# Altium PCB GridSeed.PcbDoc (part 3 of 4) (continued)
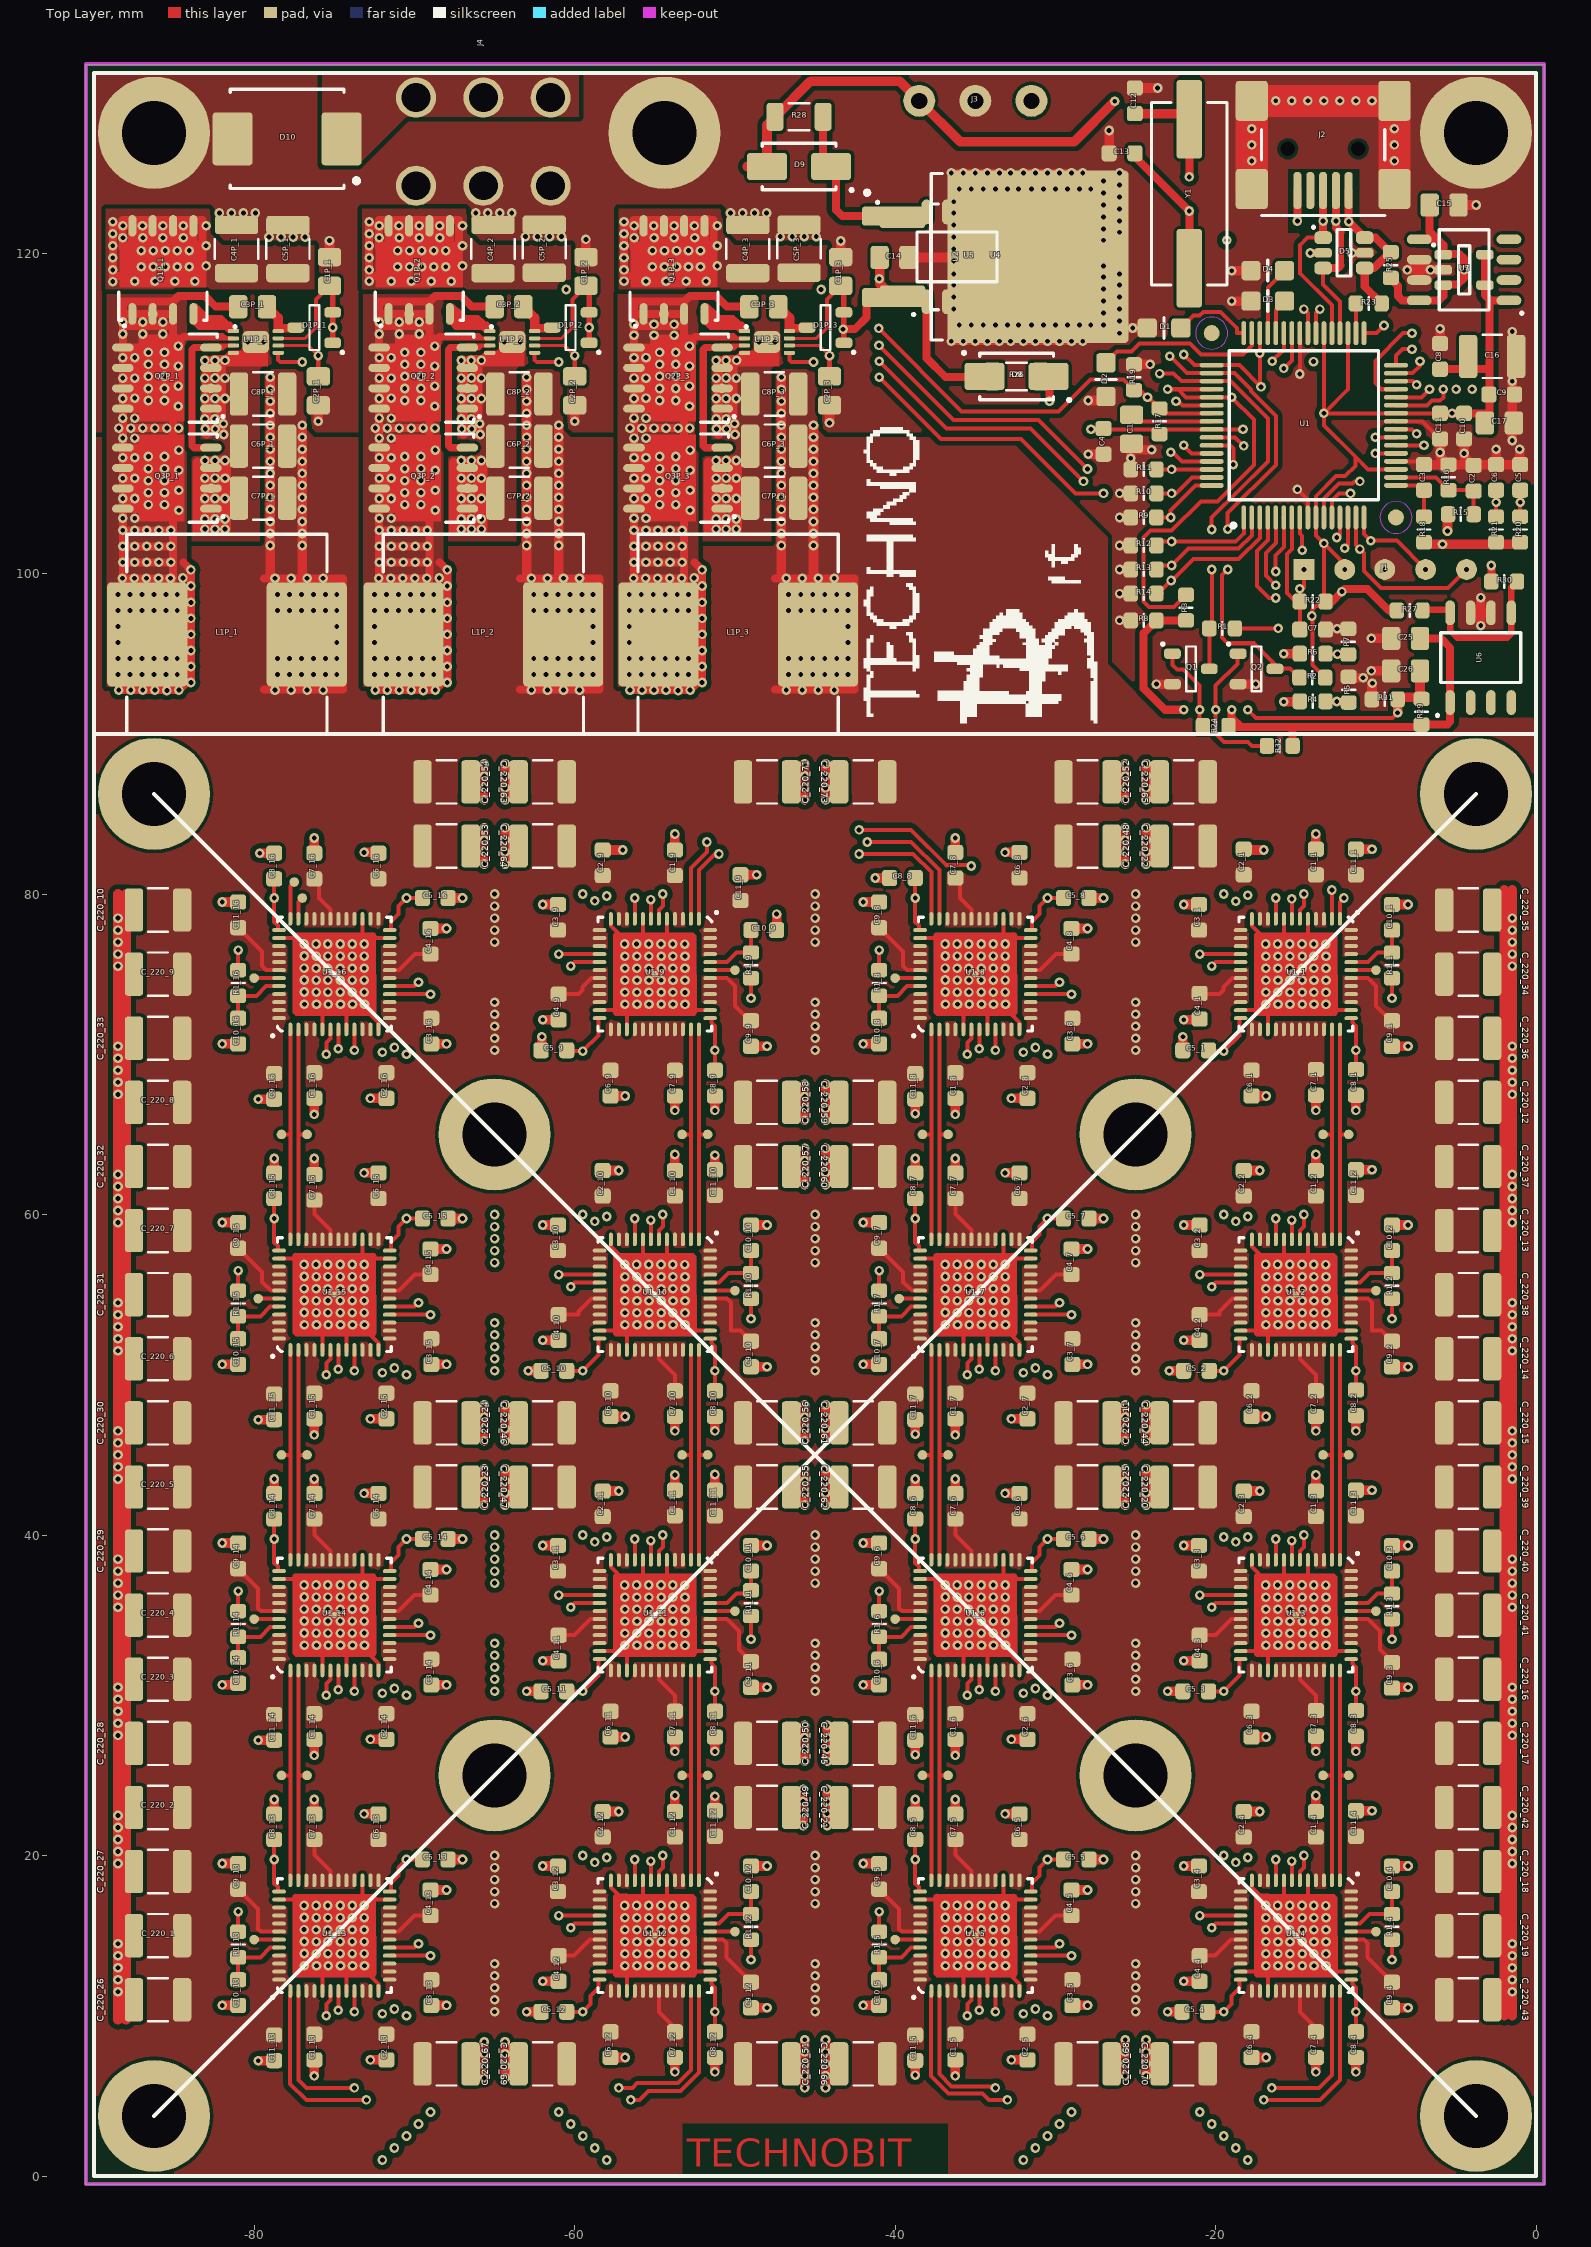
[diagram p0: Top Layer view]
## Nets (pads, with @x,y where several pads share a name; then routed paths per layer and width w, separated by ;. In a path a pad name is that pad's centre, name@x,y a point inside that pad or via, vN(x,y) a via of type N, cw(c..) or ccw(c..) an arc to the next point about the centre after c; other vN are vias at no path point) (continued)
  Top Layer w2: J2.6@-17.75,124 J2.7@-17.75,129.5 J2.8@-8.85,129.5 J2.9@-8.85,124
  other v1: -45.65,6.25 -44.35,6.25 -65.65,6.875 -64.35,6.875 -45.65,7 -44.35,7 -25.65,7 -24.35,7 -65.65,7.625 -64.35,7.625 -45.65,7.75 -44.35,7.75 -25.65,7.75 -24.35,7.75 -88.5,11.5 -1.5,11.5 -88.5,12.25 -1.5,12.25 -88.5,13 -1.5,13 -88.5,13.75 -1.5,13.75 -88.5,14.5 -1.5,14.5 -88.5,19.5 -1.5,19.5 -88.5,20.25 -1.5,20.25 -88.5,21 -1.5,21 -88.5,21.75 -1.5,21.75 -88.5,22.5 -1.5,22.5 -45.75,22.625 -44.25,22.625 -45.75,23.375 -44.25,23.375 -45.65,26.625 -44.25,26.625 -45.65,27.375 -44.25,27.375 -88.5,27.5 -1.5,27.5 -88.5,28.25 -1.5,28.25 -88.5,29 -1.5,29 -88.5,29.75 -1.5,29.75 -88.5,30.5 -1.5,30.5 -88.5,35.5 -1.5,35.5 -88.5,36.25 -1.5,36.25 -88.5,37 -1.5,37 -88.5,37.75 -1.5,37.75 -88.5,38.5 -1.5,38.5 -65.65,42.625 -64.35,42.625 -45.65,42.625 -44.35,42.625 -25.65,42.625 -24.35,42.625 -65.65,43.375 -64.35,43.375 -45.65,43.375 -44.35,43.375 -25.65,43.375 -24.35,43.375 -88.5,43.5 -1.5,43.5 -88.5,44.25 -1.5,44.25 -88.5,45 -1.5,45 -88.5,45.75 -1.5,45.75 -88.5,46.5 -1.5,46.5 -65.65,46.625 -64.35,46.625 -45.65,46.625 -44.35,46.625 -25.65,46.625 -24.35,46.625 -65.65,47.375 -64.35,47.375 -45.65,47.375 -44.35,47.375 -25.65,47.375 -24.35,47.375 -88.5,51.5 -1.5,51.5 -88.5,52.25 -1.5,52.25 -88.5,53 -1.5,53 -88.5,53.75 -1.5,53.75 -88.5,54.5 -1.5,54.5 -88.5,59.5 -1.5,59.5 -88.5,60.25 -1.5,60.25 -88.5,61 -1.5,61 -88.5,61.75 -1.5,61.75 -88.5,62.5 -1.5,62.5 -45.65,62.625 -44.35,62.625 -45.65,63.375 -44.35,63.375 -45.65,66.625 -44.35,66.625 -45.65,67.375 -44.35,67.375 -88.5,67.5 -1.5,67.5 -88.5,68.25 -1.5,68.25 -88.5,69 -1.5,69 -88.5,69.75 -1.5,69.75 -88.5,70.5 -1.5,70.5 -88.5,75.5 -1.5,75.5 -88.5,76.25 -1.5,76.25 -88.5,77 -1.5,77 -88.5,77.75 -1.5,77.75 -88.5,78.5 -1.5,78.5 -65.65,82.625 -64.35,82.625 -25.65,82.625 -24.35,82.625 -65.65,83.375 -64.35,83.375 -25.65,83.375 -24.35,83.375 -65.65,86.625 -64.35,86.625 -45.65,86.625 -44.35,86.625 -25.65,86.625 -24.35,86.625 -65.65,87.375 -64.35,87.375 -45.65,87.375 -44.35,87.375 -25.65,87.375 -24.35,87.375 -10.225,93.15 -12.425,96.55 -3.462,96.75 -9.45,100.25 -83.075,102.775 -82.45,102.775 -81.825,102.775 -67.075,102.775 -66.45,102.775 -65.825,102.775 -51.175,102.775 -50.55,102.775 -49.925,102.775 -83.075,103.405 -82.45,103.405 -81.825,103.405 -67.075,103.405 -66.45,103.405 -65.825,103.405 -51.175,103.405 -50.55,103.405 -49.925,103.405 -83.075,104.68 -82.45,104.68 -81.825,104.68 -67.075,104.68 -66.45,104.68 -65.825,104.68 -51.175,104.68 -50.55,104.68 -49.925,104.68 -83.075,105.95 -82.45,105.955 -81.825,105.95 -67.075,105.95 -66.45,105.955 -65.825,105.95 -51.175,105.95 -50.55,105.955 -49.925,105.95 -83.075,107.055 -82.45,107.055 -81.825,107.055 -67.075,107.055 -66.45,107.055 -65.825,107.055 -51.175,107.055 -50.55,107.055 -49.925,107.055 -81.9,108.675 -65.9,108.675 -50,108.675 -83.05,109.025 -82.425,109.025 -67.05,109.025 -66.425,109.025 -51.15,109.025 -50.525,109.025 -81.925,109.35 -65.925,109.35 -50.025,109.35 -83.075,109.65 -82.45,109.65 -67.075,109.65 -66.45,109.65 -51.175,109.65 -50.55,109.65 -83.075,110.925 -82.45,110.925 -81.825,110.925 -67.075,110.925 -66.45,110.925 -65.825,110.925 -51.175,110.925 -50.55,110.925 -49.925,110.925 -1.5,112 -83.075,112.195 -81.825,112.195 -67.075,112.195 -65.825,112.195 -51.175,112.195 -49.925,112.195 -82.45,112.2 -66.45,112.2 -50.55,112.2 -83.075,113.3 -82.45,113.3 -81.825,113.3 -67.075,113.3 -66.45,113.3 -65.825,113.3 -51.175,113.3 -50.55,113.3 -49.9,113.3 -80.4,114.45 -79.4,114.45 -64.4,114.45 -63.4,114.45 -48.5,114.45 -47.5,114.45 -35.75,114.5 -35,114.5 -34.25,114.5 -33.5,114.5 -32.8,114.5 -31.25,114.5 -30.5,114.5 -29.75,114.5 -29,114.5 -28.3,114.5 -25.175,115.325 -35.25,115.5 -34.5,115.5 -33.75,115.5 -33,115.5 -32.3,115.5 -30.75,115.5 -30,115.5 -29.25,115.5 -28.5,115.5 -27.8,115.5 -26,115.75 -27,116.25 -36.35,116.5 -26,116.5 -27,117 -36.35,117.25 -26,117.25 -27,117.75 -36.35,118 -26,118 -27,118.5 -36.35,118.7 -26,118.7 -6.6,118.95 -27,119.2 -11.5,120 -27,120.8 -79.075,121 -78.325,121 -77.575,121 -76.825,121 -63.075,121.025 -62.325,121.025 -61.575,121.025 -60.825,121.025 -47.175,121.025 -46.425,121.025 -45.675,121.025 -44.925,121.025 -26,121.3 -27,121.5 -26,122 -27,122.25 -82.175,122.5 -81.425,122.5 -80.675,122.5 -79.925,122.5 -66.175,122.5 -65.425,122.5 -64.675,122.5 -63.925,122.5 -50.275,122.5 -49.525,122.5 -48.775,122.5 -48.025,122.5 -26,122.75 -27,123 -36.35,123.2 -26,123.5 -27,123.75 -35.25,124 -34.5,124 -33.75,124 -33,124 -32.3,124 -30.75,124 -30,124 -29.25,124 -28.5,124 -27.8,124 -26,124.25 -35.75,125 -35,125 -34.25,125 -33.5,125 -32.8,125 -31.25,125 -30.5,125 -29.75,125 -29,125 -28.3,125 -17.75,125.75 -8.85,125.75 -17.75,126.75 -8.85,126.75 -17.75,127.75 -8.85,127.75 -16.25,129.5 -15.25,129.5 -14.25,129.5 -13.25,129.5 -12.25,129.5 -11.25,129.5 -10.25,129.5
  other v2: -76.865,13.125 -76.115,13.12 -75.385,13.12 -74.615,13.12 -73.865,13.12 -73.115,13.12 -56.865,13.12 -55.365,13.12 -54.595,13.12 -53.865,13.12 -53.115,13.115 -36.865,13.125 -36.115,13.12 -35.385,13.12 -34.615,13.12 -33.865,13.12 -33.115,13.12 -16.865,13.12 -15.365,13.12 -14.595,13.12 -13.865,13.12 -13.115,13.115 -56.12,13.871 -16.12,13.871 -76.88,13.885 -76.129,13.88 -75.4,13.88 -74.629,13.88 -73.88,13.88 -73.129,13.88 -36.88,13.885 -36.129,13.88 -35.4,13.88 -34.629,13.88 -33.88,13.88 -33.129,13.88 -76.88,14.635 -76.129,14.629 -75.4,14.629 -74.629,14.629 -73.88,14.629 -73.129,14.629 -56.865,14.625 -56.115,14.625 -55.365,14.625 -54.595,14.625 -53.865,14.625 -53.115,14.62 -36.88,14.635 -36.129,14.629 -35.4,14.629 -34.629,14.629 -33.88,14.629 -33.129,14.629 -16.865,14.625 -16.115,14.625 -15.365,14.625 -14.595,14.625 -13.865,14.625 -13.115,14.62 -56.871,15.371 -54.6,15.371 -16.871,15.371 -14.6,15.371 -76.885,15.38 -76.135,15.375 -75.405,15.375 -74.635,15.375 -73.885,15.375 -73.135,15.375 -36.885,15.38 -36.135,15.375 -35.405,15.375 -34.635,15.375 -33.885,15.375 -33.135,15.375 -76.88,16.135 -76.129,16.129 -75.4,16.129 -74.629,16.129 -73.88,16.129 -73.129,16.129 -56.871,16.12 -56.12,16.12 -55.371,16.12 -54.6,16.12 -53.871,16.12 -36.88,16.135 -36.129,16.129 -35.4,16.129 -34.629,16.129 -33.88,16.129 -33.129,16.129 -16.871,16.12 -16.12,16.12 -15.371,16.12 -14.6,16.12 -13.871,16.12 -76.885,16.885 -76.135,16.88 -75.405,16.88 -74.635,16.88 -73.885,16.88 -73.135,16.88 -56.135,16.88 -55.385,16.88 -54.615,16.88 -53.885,16.88 -36.885,16.885 -36.135,16.88 -35.405,16.88 -34.635,16.88 -33.885,16.88 -33.135,16.88 -16.135,16.88 -15.385,16.88 -14.615,16.88 -13.885,16.88 -76.865,33.125 -76.115,33.12 -75.385,33.12 -74.615,33.12 -73.865,33.12 -73.115,33.12 -56.865,33.12 -56.115,33.12 -55.365,33.12 -54.595,33.12 -53.865,33.12 -53.115,33.115 -36.865,33.125 -36.115,33.12 -35.385,33.12 -34.615,33.12 -33.865,33.12 -33.115,33.12 -16.865,33.12 -16.115,33.12 -15.365,33.12 -14.595,33.12 -13.865,33.12 -13.115,33.115 -76.88,33.885 -76.129,33.88 -75.4,33.88 -74.629,33.88 -73.88,33.88 -73.129,33.88 -56.871,33.871 -56.12,33.871 -55.371,33.871 -54.6,33.871 -53.871,33.871 -53.12,33.865 -36.88,33.885 -36.129,33.88 -35.4,33.88 -34.629,33.88 -33.88,33.88 -33.129,33.88 -16.871,33.871 -16.12,33.871 -15.371,33.871 -14.6,33.871 -13.871,33.871 -13.12,33.865 -56.865,34.625 -56.115,34.625 -55.365,34.625 -54.595,34.625 -53.865,34.625 -53.115,34.62 -16.865,34.625 -16.115,34.625 -15.365,34.625 -14.595,34.625 -13.865,34.625 -13.115,34.62 -76.88,34.635 -76.129,34.629 -75.4,34.629 -74.629,34.629 -73.88,34.629 -73.129,34.629 -36.88,34.635 -36.129,34.629 -35.4,34.629 -34.629,34.629 -33.88,34.629 -33.129,34.629 -76.885,35.38 -76.135,35.375 -75.405,35.375 -74.635,35.375 -73.885,35.375 -73.135,35.375 -56.871,35.371 -56.12,35.371 -55.371,35.371 -54.6,35.371 -53.871,35.371 -53.12,35.365 -36.885,35.38 -36.135,35.375 -35.405,35.375 -34.635,35.375 -33.885,35.375 -33.135,35.375 -16.871,35.371 -16.12,35.371 -15.371,35.371 -14.6,35.371 -13.871,35.371 -13.12,35.365 -56.871,36.12 -56.12,36.12 -55.371,36.12 -54.6,36.12 -53.871,36.12 -53.12,36.115 -16.871,36.12 -16.12,36.12 -15.371,36.12 -14.6,36.12 -13.871,36.12 -13.12,36.115 -76.88,36.135 -76.129,36.129 -75.4,36.129 -74.629,36.129 -73.88,36.129 -73.129,36.129 -36.88,36.135 -36.129,36.129 -35.4,36.129 -34.629,36.129 -33.88,36.129 -33.129,36.129 -76.885,36.885 -76.135,36.88 -75.405,36.88 -74.635,36.88 -73.885,36.88 -73.135,36.88 -56.135,36.88 -55.385,36.88 -54.615,36.88 -53.885,36.88 -53.135,36.875 -36.885,36.885 -36.135,36.88 -35.405,36.88 -34.635,36.88 -33.885,36.88 -33.135,36.88 -16.135,36.88 -15.385,36.88 -14.615,36.88 -13.885,36.88 -13.135,36.875 -53.115,53.115 -13.115,53.115 -76.865,53.125 -76.115,53.12 -75.385,53.12 -74.615,53.12 -73.865,53.12 -73.115,53.12 -56.865,53.12 -56.115,53.12 -55.365,53.12 -54.595,53.12 -53.865,53.12 -36.865,53.125 -36.115,53.12 -35.385,53.12 -34.615,53.12 -33.865,53.12 -33.115,53.12 -16.865,53.12 -16.115,53.12 -15.365,53.12 -14.595,53.12 -13.865,53.12 -56.871,53.871 -56.12,53.871 -55.371,53.871 -54.6,53.871 -53.871,53.871 -53.12,53.865 -16.871,53.871 -16.12,53.871 -15.371,53.871 -14.6,53.871 -13.871,53.871 -13.12,53.865 -76.88,53.885 -76.129,53.88 -75.4,53.88 -74.629,53.88 -73.88,53.88 -73.129,53.88 -36.88,53.885 -36.129,53.88 -35.4,53.88 -34.629,53.88 -33.88,53.88 -33.129,53.88 -76.88,54.635 -76.129,54.629 -75.4,54.629 -74.629,54.629 -73.88,54.629 -73.129,54.629 -56.865,54.625 -56.115,54.625 -55.365,54.625 -54.595,54.625 -53.865,54.625 -53.115,54.62 -36.88,54.635 -36.129,54.629 -35.4,54.629 -34.629,54.629 -33.88,54.629 -33.129,54.629 -16.865,54.625 -16.115,54.625 -15.365,54.625 -14.595,54.625 -13.865,54.625 -13.115,54.62 -76.135,55.375 -75.405,55.375 -74.635,55.375 -73.885,55.375 -73.135,55.375 -56.871,55.371 -56.12,55.371 -55.371,55.371 -54.6,55.371 -53.871,55.371 -53.12,55.365 -36.135,55.375 -35.405,55.375 -34.635,55.375 -33.885,55.375 -33.135,55.375 -16.871,55.371 -16.12,55.371 -15.371,55.371 -14.6,55.371 -13.871,55.371 -13.12,55.365 -76.885,55.38 -36.885,55.38 -53.12,56.115 -13.12,56.115 -76.88,56.135 -76.129,56.129 -75.4,56.129 -74.629,56.129 -73.88,56.129 -73.129,56.129 -56.871,56.12 -56.12,56.12 -55.371,56.12 -54.6,56.12 -53.871,56.12 -36.88,56.135 -36.129,56.129 -35.4,56.129 -34.629,56.129 -33.88,56.129 -33.129,56.129 -16.871,56.12 -16.12,56.12 -15.371,56.12 -14.6,56.12 -13.871,56.12 -53.135,56.875 -13.135,56.875 -76.885,56.885 -76.135,56.88 -75.405,56.88 -74.635,56.88 -73.885,56.88 -73.135,56.88 -56.885,56.88 -56.135,56.88 -55.385,56.88 -54.615,56.88 -53.885,56.88 -36.885,56.885 -36.135,56.88 -35.405,56.88 -34.635,56.88 -33.885,56.88 -33.135,56.88 -16.885,56.88 -16.135,56.88 -15.385,56.88 -14.615,56.88 -13.885,56.88 -76.865,73.125 -76.115,73.12 -75.385,73.12 -74.615,73.12 -73.865,73.12 -73.115,73.12 -56.865,73.12 -56.115,73.12 -55.365,73.12 -54.595,73.12 -53.865,73.12 -53.115,73.115 -36.865,73.125 -36.115,73.12 -35.385,73.12 -34.615,73.12 -33.865,73.12 -33.115,73.12 -16.865,73.12 -16.115,73.12 -15.365,73.12 -14.595,73.12 -13.865,73.12 -13.115,73.115 -53.12,73.865 -13.12,73.865 -76.88,73.885 -76.129,73.88 -75.4,73.88 -74.629,73.88 -73.88,73.88 -73.129,73.88 -56.871,73.871 -56.12,73.871 -55.371,73.871 -54.6,73.871 -53.871,73.871 -36.88,73.885 -36.129,73.88 -35.4,73.88 -34.629,73.88 -33.88,73.88 -33.129,73.88 -16.871,73.871 -16.12,73.871 -15.371,73.871 -14.6,73.871 -13.871,73.871 -76.129,74.629 -75.4,74.629 -74.629,74.629 -73.88,74.629 -73.129,74.629 -56.865,74.625 -56.115,74.625 -55.365,74.625 -54.595,74.625 -53.865,74.625 -53.115,74.62 -36.129,74.629 -35.4,74.629 -34.629,74.629 -33.88,74.629 -33.129,74.629 -16.865,74.625 -16.115,74.625 -15.365,74.625 -14.595,74.625 -13.865,74.625 -13.115,74.62 -76.88,74.635 -36.88,74.635 -53.12,75.365 -13.12,75.365 -76.885,75.38 -76.135,75.375 -75.405,75.375 -74.635,75.375 -73.885,75.375 -73.135,75.375 -56.871,75.371 -56.12,75.371 -55.371,75.371 -54.6,75.371 -53.871,75.371 -36.885,75.38 -36.135,75.375 -35.405,75.375 -34.635,75.375 -33.885,75.375 -33.135,75.375 -16.871,75.371 -16.12,75.371 -15.371,75.371 -14.6,75.371 -13.871,75.371 -76.129,76.129 -75.4,76.129 -74.629,76.129 -73.88,76.129 -73.129,76.129 -56.871,76.12 -56.12,76.12 -55.371,76.12 -54.6,76.12 -53.871,76.12 -53.12,76.115 -36.129,76.129 -35.4,76.129 -34.629,76.129 -33.88,76.129 -33.129,76.129 -16.871,76.12 -16.12,76.12 -15.371,76.12 -14.6,76.12 -13.871,76.12 -13.12,76.115 -76.88,76.135 -36.88,76.135 -76.885,76.885 -76.135,76.88 -75.405,76.88 -74.635,76.88 -73.885,76.88 -73.135,76.88 -56.885,76.88 -56.135,76.88 -55.385,76.88 -54.615,76.88 -53.885,76.88 -53.135,76.875 -36.885,76.885 -36.135,76.88 -35.405,76.88 -34.635,76.88 -33.885,76.88 -33.135,76.88 -16.885,76.88 -16.135,76.88 -15.385,76.88 -14.615,76.88 -13.885,76.88 -13.135,76.875
GREEN: D2.2 U1.47 | length 10.9
  Top Layer w0.25: D2.2@-26.85,113.15 -26.15,113.85 -25.25,113.85 -24.742,114.358 -21.608,114.358 -20.916,113.666 -18.312,113.666 -17.75,114.228 U1.47@-17.75,115
HO1: Q1P_1.4 U1P_1.1 | length 1.9
  Top Layer w0.25: -82,115.45 -81.9,115.45 -81.575,115.125 U1P_1.1@-81.3,115.125
  Top Layer w0.45: -83.045,115.45 -82.45,115.45 -82,115.45
HO2: Q1P_2.4 U1P_2.1 | length 2.9
  Top Layer w0.45: Q1P_2.4@-67.82,116.332 -67.332,116.332 -66.45,115.45 ; -66.65,115.45 -65.5,115.45
HO3: Q1P_3.4 U1P_3.1 | length 2.9
  Top Layer w0.45: Q1P_3.4@-51.92,116.332 -51.432,116.332 -50.55,115.45 ; -50.75,115.45 -49.6,115.45
LDO3.3V-5.0V: R27.2 R30.1 U6.5 U6.8 | length 10.6
  Top Layer w0.4: R27.2@-7.25,97.75 -5.567,97.75 U6.8@-5.367,97.55 -5.367,96.438 -4.929,96 -1.804,96 -1.557,96.248 U6.5@-1.557,97.55 -1.557,99.143 R30.1@-1.2,99.5
LDO5.0V: C15.1 D7.2 D8.1 R25.1 R26.2 R30.2 U3.1 U3.3 U7.5 U7.8 | length 63.9
  Top Layer w0.5: D7.2@-30.5,112.25 -30.375,112.125 v1(-30.375,110.75) ; R25.1@-9.133,118.45 -8.633,117.95 -8.633,117.315 -8.363,117.045 U7.8@-7.3,117.045 -6.08,117.045 -5.8,117.325 -5.8,118.025 -4.925,118.025 -4.5,118.45 v1(-4.5,118.95) -4.5,119.65 -4.775,119.925 -5.8,119.925 -5.8,120.496 -6.159,120.855 ; U7.5@-7.3,120.855 -6.159,120.855 ; C15.1@-6.65,123 -6.65,121.346 -6.159,120.855 ; R30.2@-2.8,99.5 v1(-2.8,100.5)
  Mid-Top Layer w0.3: v1(-4.5,118.95) -3.25,117.7 -3.25,112.25 v1(-4,111.5) -3.252,110.752 -3.252,106.96 -3.25,106.957 -3.25,104.204 -3.252,104.201 -3.252,100.952 v1(-2.8,100.5)
  Mid-Bottom Layer w0.5: v1(-30.375,110.75) -29.55,109.925 -17.589,109.925 -16.764,110.75 -4.364,110.75 ; -4.558,110.75 -4.339,110.75 -4,111.089 v1(-4,111.5)
LM12V: D9.1 R28.1 U2.8 U4.1 U5.1 | length 9.9
  Top Layer w0.25: D9.1@-44.5,125.5 D9.1@-44,125
  Top Layer w0.5: D9.1@-44.5,125.5 R28.1@-44.5,128.5 ; D9.1@-44,125 -43.7,124.7 -43.7,122.7 -43.305,122.305 U4.1@-40.1,122.305
LO1: Q2P_1.4 Q3P_1.4 U1P_1.3 | length 9.9
  Top Layer w0.25: Q2P_1.4@-82.7,114.1 -82.575,114.225 U1P_1.3@-81.3,114.225
  Top Layer w0.45: Q3P_1.4@-82.75,107.855 -83.755,107.855 -83.875,107.975 -83.875,113.987 -83.762,114.1 Q2P_1.4@-82.7,114.1
LO2: Q2P_2.4 Q3P_2.4 U1P_2.3 | length 9.7
  Top Layer w0.25: Q2P_2.4@-66.55,114.225 U1P_2.3@-65.275,114.225
  Top Layer w0.45: Q3P_2.4@-66.75,107.855 -67.755,107.855 -67.875,107.975 -67.875,113.987 -67.762,114.1 Q2P_2.4@-66.7,114.1
LO3: Q2P_3.4 Q3P_3.4 U1P_3.3 | length 9.7
  Top Layer w0.25: Q2P_3.4@-50.65,114.225 U1P_3.3@-49.375,114.225
  Top Layer w0.45: Q3P_3.4@-50.85,107.855 -51.855,107.855 -51.975,107.975 -51.975,113.987 -51.862,114.1 Q2P_3.4@-50.8,114.1
"MAIN OSC IN": C12.1 U1.39 Y1.1 | length 20.4
  Top Layer w0.25: Y1.1@-22,128.7 Y1.1@-21.65,128.35 ; U1.39@-13.75,115 -13.75,116.25 v1(-13.5,116.5)
  Top Layer w0.5: v1(-21.65,124.75) Y1.1@-21.65,128.35
  Top Layer w0.6: C12.1@-25.05,128.7 Y1.1@-22,128.7
  Mid-Top Layer w0.25: v1(-21.65,124.75) -21.614,124.75 -13.5,116.636 v1(-13.5,116.5)
"MAIN OSC OUT": C13.1 U1.40 Y1.2 | length 20.6
  Top Layer w0.25: C13.1@-25.05,126.025 C13.1@-25.05,126.225 ; Y1.2@-21.974,118.726 Y1.2@-21.65,119.05 Y1.2@-21.65,121.2 ; v1(-14.5,116.5) -14.25,116.25 U1.40@-14.25,115
  Top Layer w0.5: C13.1@-25.05,126.025 v1(-21.65,122.625) Y1.2@-21.65,121.2
  Mid-Top Layer w0.25: v1(-21.65,122.625) -20.125,122.625 -14.5,117 v1(-14.5,116.5)
MCLR: C7.1 J1.1 R22.1 U1.7 | length 9.8
  Top Layer w0.254: U1.7@-15.25,103.5 -15.25,101.525 -15.548,101.227 -15.548,98.798 R22.1@-14.75,98 ; C7.1@-14.75,96.5 R22.1@-14.75,98 ; v1(-14.5,100.25) -14.5,99.125 -14.75,98.875 R22.1@-14.75,98
  other v1: -14.75,99.05
MCU5.0V: R23.2 U1.34 | length 1.8
  Top Layer w0.25: U1.34@-11.25,115 R23.2@-11.25,116.85
MCU_MISO0: U1.5 | length 4.8
  Top Layer w0.25: v1(-16.25,99.275) -16.284,99.275 -16.875,99.866 -16.875,101.275 -16.25,101.9 U1.5@-16.25,103.5
MCU_MOSI0: U1.6 | length 3.6
  Top Layer w0.25: v1@-16.275,100.125 -16.275,101.139 -15.75,101.664 U1.6@-15.75,103.5 U1.6@-15.755,103.495
  other v1: -16.25,100.125